# KiCad board corne-light copy.kicad_pcb
title: Corne Light; date: 2020-11-12; rev: 2.0; company: foostan
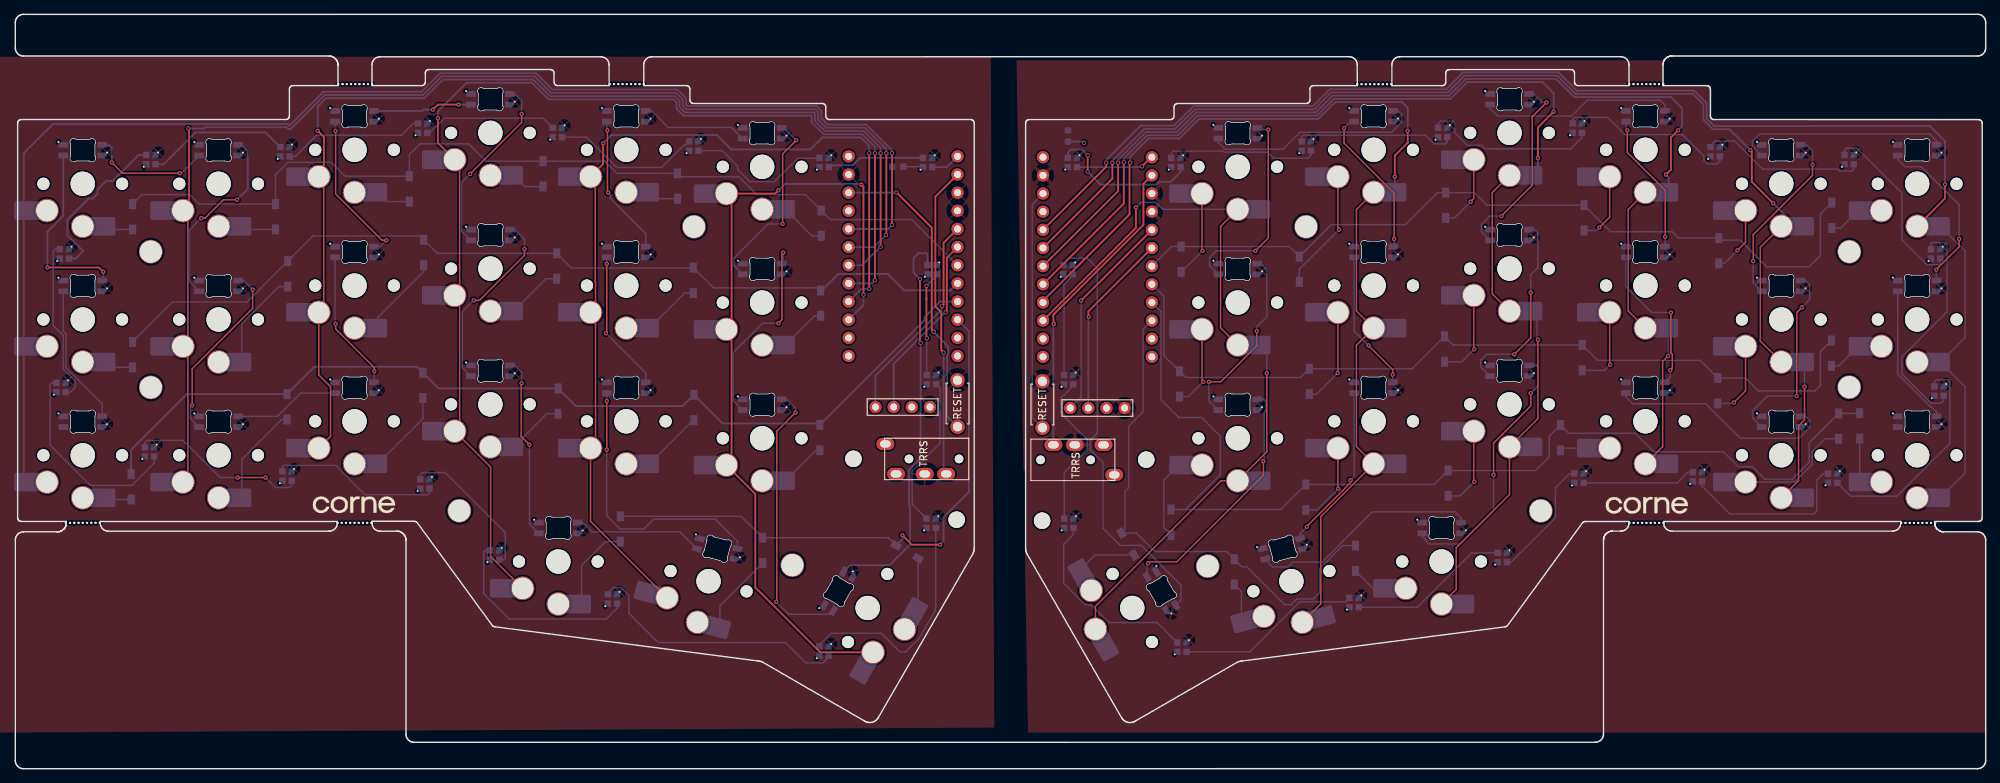
[diagram p0: board, top side]
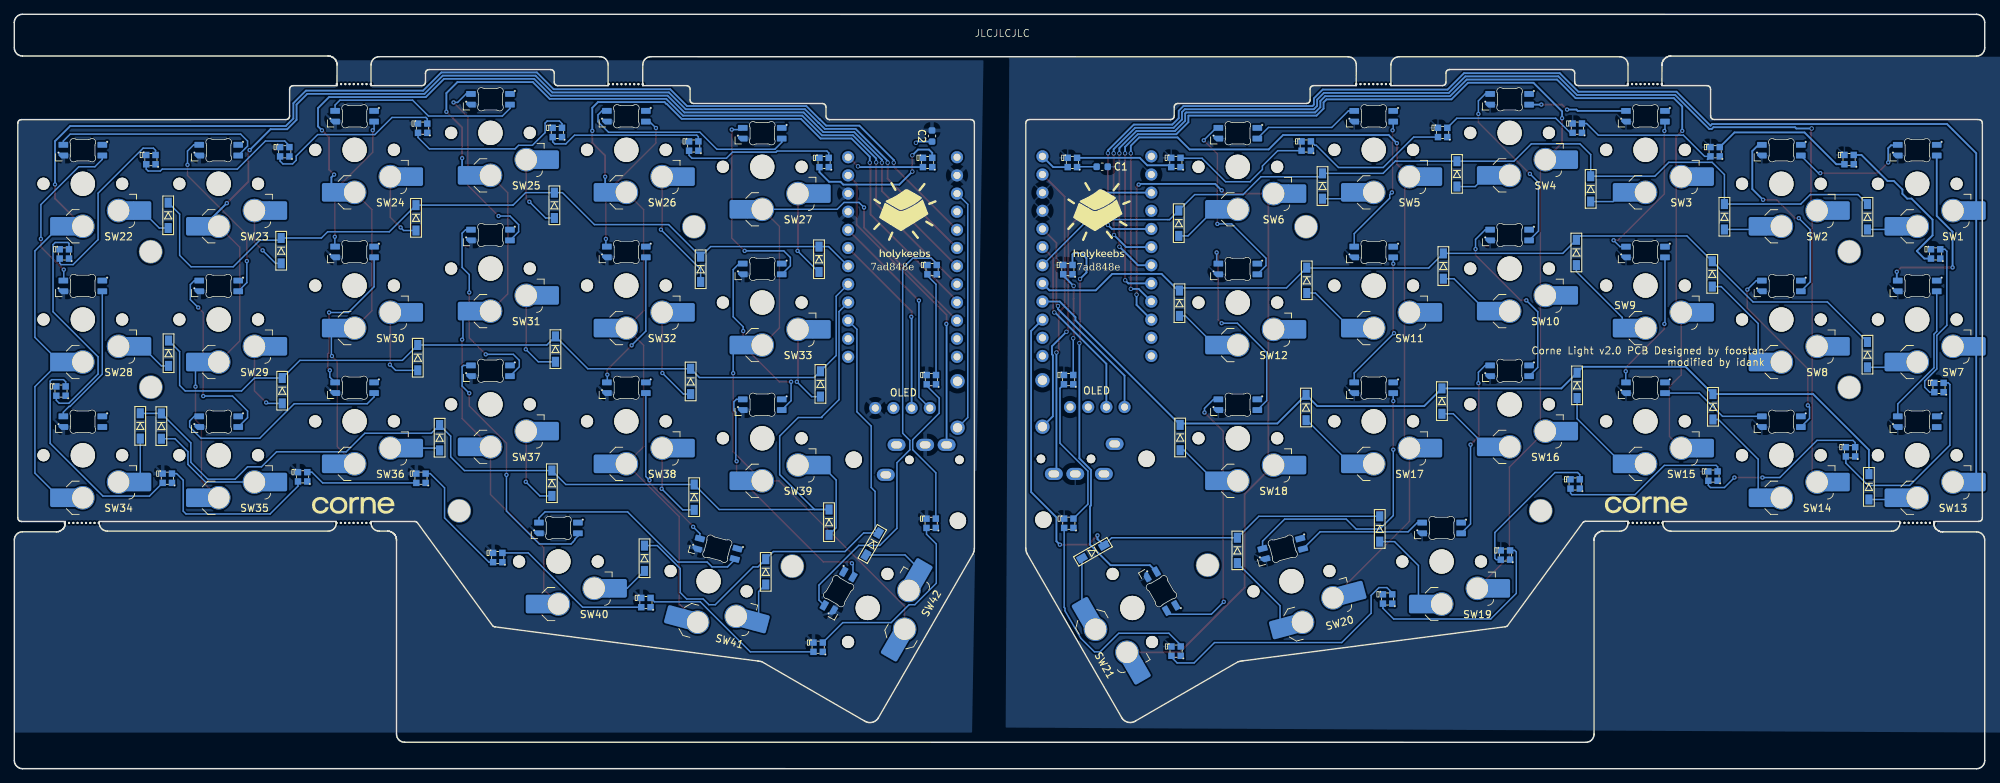
[diagram p1: board, bottom side, seen from below]

Outline 275.51 x 105.6 mm; copper layers: Top, In1.Cu, In2.Cu, Bottom. Coordinates in mm from the lower left corner of the outline.
Outline path: 57.33,96.11 57.3,95.94 57.23,95.81 57.13,95.71 57,95.64 56.83,95.61 49.88,95.61 49.88,98.51 49.9,98.73 49.96,98.95 50.07,99.14 50.21,99.31 50.38,99.45 50.57,99.56 50.78,99.63 51.01,99.65 81.88,99.65 82.11,99.63 82.32,99.56 82.52,99.46 82.69,99.32 82.83,99.15 82.94,98.95 83,98.74 83.02,98.52 83.02,98.51 83.03,95.61 75.83,95.61 75.66,95.64 75.53,95.71 75.43,95.81 75.36,95.94 75.33,96.11 75.33,97.36 75.3,97.53 75.23,97.66 75.13,97.76 75,97.83 74.83,97.86 57.83,97.86 57.66,97.83 57.53,97.76 57.43,97.66 57.36,97.53 57.33,97.36 57.33,96.11 ; 141.27,90.36 141.27,30.88 ; 141.27,90.36 141.3,90.53 141.37,90.66 141.47,90.76 141.6,90.83 141.77,90.86 ; 141.27,30.88 141.27,30.79 141.29,30.6 141.32,30.44 141.37,30.28 141.43,30.14 141.5,30.01 ; 141.77,90.86 161.52,90.86 161.69,90.88 161.82,90.95 161.92,91.05 161.99,91.18 162.02,91.36 162.02,92.61 162.05,92.78 162.12,92.91 162.22,93.01 162.35,93.08 162.52,93.11 ; 141.49,30.01 154.72,7.07 154.72,7.07 154.78,6.98 154.88,6.88 154.99,6.78 155.1,6.69 155.23,6.62 155.37,6.55 155.52,6.5 155.69,6.47 155.88,6.46 156.07,6.47 156.23,6.5 156.39,6.56 156.52,6.62 156.65,6.7 170.94,14.96 171.1,15 171.26,15.04 171.44,15.06 171.6,15.09 208.27,19.86 208.36,19.86 208.51,19.92 208.62,20 219.16,34.46 219.28,34.54 219.43,34.6 219.52,34.6 225.64,34.6 225.63,34.4 225.61,34.18 225.55,33.96 225.44,33.77 225.3,33.59 225.13,33.45 224.94,33.35 224.72,33.28 224.5,33.26 223.29,33.26 223.06,33.23 223.05,33.23 222.83,33.16 222.83,33.16 222.82,33.16 222.62,33.05 222.61,33.04 222.43,32.9 222.43,32.89 222.43,32.89 222.28,32.71 222.28,32.7 222.28,32.7 222.17,32.5 222.16,32.49 222.16,32.49 222.09,32.27 222.09,32.26 222.09,32.26 222.07,32.02 222.07,4.85 222.05,4.63 221.98,4.41 221.88,4.22 221.74,4.04 221.57,3.9 221.37,3.8 221.16,3.73 220.94,3.71 220.93,3.71 55.77,3.7 55.54,3.72 55.33,3.78 55.13,3.89 54.96,4.03 54.82,4.2 54.71,4.4 54.65,4.61 54.63,4.83 54.63,32.02 54.6,32.26 54.6,32.27 54.53,32.49 54.53,32.49 54.42,32.7 54.41,32.71 54.26,32.89 54.26,32.89 54.08,33.04 54.07,33.04 54.07,33.04 54.07,33.05 53.86,33.15 53.86,33.16 53.63,33.22 53.63,33.23 53.62,33.23 53.39,33.25 51.02,33.25 50.79,33.27 50.58,33.33 50.38,33.44 50.21,33.58 50.07,33.75 49.96,33.94 49.9,34.16 49.88,34.38 49.88,34.39 49.87,34.63 55.83,34.63 55.92,34.6 56.07,34.55 56.18,34.47 66.73,20.01 66.84,19.92 66.99,19.87 67.08,19.86 103.75,15.09 103.91,15.07 104.08,15.04 104.25,15.01 104.4,14.96 118.7,6.7 118.82,6.63 118.96,6.56 119.12,6.51 119.28,6.48 119.47,6.46 119.66,6.48 119.83,6.51 119.98,6.56 120.12,6.63 120.25,6.7 120.37,6.79 120.47,6.89 120.57,7 120.62,7.08 120.63,7.08 133.85,30.02 133.92,30.15 133.98,30.29 134.03,30.45 134.06,30.62 134.08,30.8 134.08,90.36 134.05,90.53 133.98,90.66 133.88,90.76 133.75,90.83 133.58,90.86 113.83,90.86 113.66,90.89 113.53,90.96 113.43,91.06 113.36,91.19 113.33,91.36 113.33,92.61 113.3,92.78 113.23,92.91 113.13,93.01 113,93.08 112.83,93.11 94.83,93.11 94.66,93.14 94.53,93.21 94.43,93.31 94.36,93.44 94.33,93.61 94.33,95.11 94.3,95.28 94.23,95.41 94.13,95.51 94,95.58 93.83,95.61 87.88,95.61 87.88,98.51 87.9,98.73 87.96,98.95 88.06,99.14 88.21,99.31 88.38,99.45 88.57,99.56 88.79,99.63 89.01,99.65 89.01,99.65 186.49,99.66 186.72,99.64 186.93,99.57 187.12,99.47 187.3,99.33 187.44,99.16 187.54,98.96 187.61,98.75 187.63,98.53 187.63,98.52 187.64,95.61 181.52,95.61 ; 162.52,93.11 180.52,93.11 ; 180.52,93.11 180.69,93.13 180.81,93.21 180.92,93.3 180.99,93.43 181.02,93.61 ; 181.02,95.11 181.05,95.28 181.12,95.4 181.22,95.51 181.35,95.58 181.52,95.61 ; 181.02,93.61 181.02,95.11 ; 200.02,97.36 200.05,97.53 200.12,97.66 200.22,97.76 200.35,97.83 200.52,97.86 ; 200.02,96.11 200.02,97.36 ; 200.02,96.11 199.99,95.94 199.92,95.8 199.82,95.7 199.69,95.63 199.52,95.61 192.48,95.61 192.48,98.52 192.5,98.74 192.57,98.95 192.67,99.15 192.81,99.32 192.98,99.46 193.18,99.57 193.39,99.63 193.61,99.66 224.49,99.66 224.72,99.64 224.93,99.57 225.13,99.47 225.3,99.33 225.44,99.16 225.54,98.96 225.61,98.75 225.63,98.53 225.63,98.52 225.63,95.61 218.52,95.61 ; 200.52,97.86 217.52,97.86 ; 217.52,97.86 217.69,97.83 217.82,97.75 217.92,97.66 217.99,97.53 218.02,97.36 ; 218.02,97.36 218.02,96.11 ; 218.02,96.11 218.05,95.94 218.12,95.81 218.22,95.71 218.35,95.64 218.52,95.61 ; 237.02,95.11 236.99,95.27 236.92,95.4 236.82,95.5 236.69,95.58 236.52,95.61 230.39,95.61 230.38,98.52 230.38,98.52 230.41,98.76 230.41,98.76 230.41,98.77 230.47,98.99 230.48,99 230.59,99.2 230.59,99.2 230.59,99.2 230.59,99.21 230.74,99.39 230.74,99.39 230.75,99.4 230.92,99.54 230.93,99.55 231.14,99.66 231.14,99.66 231.37,99.73 231.38,99.73 231.61,99.76 274.38,99.76 274.6,99.78 274.81,99.85 275.01,99.95 275.18,100.09 275.32,100.27 275.42,100.46 275.49,100.68 275.51,100.9 275.51,104.46 275.48,104.69 275.42,104.9 275.31,105.09 275.17,105.27 275,105.4 274.8,105.51 274.59,105.57 274.37,105.6 1.14,105.59 1.13,105.59 0.91,105.56 0.7,105.5 0.5,105.39 0.33,105.25 0.19,105.08 0.09,104.88 0.02,104.67 0,104.45 0,100.88 0.02,100.66 0.09,100.44 0.2,100.25 0.34,100.08 0.51,99.94 0.7,99.83 0.92,99.77 1.14,99.75 43.89,99.75 44.12,99.73 44.13,99.73 44.13,99.72 44.36,99.66 44.36,99.65 44.36,99.65 44.57,99.55 44.58,99.54 44.76,99.39 44.76,99.39 44.91,99.21 44.91,99.21 44.92,99.2 45.03,98.99 45.03,98.99 45.1,98.77 45.1,98.77 45.1,98.76 45.13,98.52 45.13,98.51 45.13,95.61 38.83,95.61 38.66,95.58 38.53,95.51 38.43,95.41 38.36,95.28 38.33,95.11 38.33,91.36 38.3,91.19 38.23,91.06 38.13,90.96 38,90.89 37.83,90.86 0.94,90.86 0.66,90.83 0.53,90.76 0.43,90.66 0.36,90.53 0.33,90.36 0.33,35.11 0.36,34.94 0.43,34.81 0.53,34.71 0.66,34.64 0.83,34.61 7.12,34.61 7.12,34.38 7.12,34.38 7.1,34.15 7.1,34.14 7.03,33.92 7.03,33.91 7.03,33.91 6.92,33.71 6.92,33.7 6.77,33.52 6.77,33.51 6.76,33.51 6.58,33.36 6.58,33.36 6.37,33.25 6.36,33.24 6.14,33.17 6.13,33.17 5.9,33.15 1.13,33.15 0.91,33.13 0.7,33.06 0.5,32.95 0.33,32.81 0.19,32.64 0.09,32.45 0.02,32.23 0,32.01 0,1.13 0.02,0.91 0.09,0.7 0.2,0.5 0.34,0.33 0.51,0.19 0.7,0.08 0.92,0.02 1.14,0 274.37,0.01 274.38,0.01 274.6,0.03 274.81,0.1 275.01,0.2 275.18,0.34 275.32,0.52 275.42,0.71 275.49,0.92 275.51,1.15 275.51,32.03 275.48,32.25 275.42,32.46 275.31,32.66 275.17,32.83 275,32.97 274.8,33.07 274.59,33.14 274.37,33.16 269.62,33.16 269.38,33.18 269.38,33.18 269.37,33.18 269.15,33.25 269.14,33.25 268.94,33.36 268.93,33.37 268.75,33.51 268.75,33.52 268.74,33.52 268.6,33.7 268.59,33.71 268.48,33.91 268.48,33.92 268.48,33.92 268.41,34.14 268.41,34.15 268.41,34.15 268.38,34.38 268.38,34.39 268.38,34.39 268.39,34.6 274.52,34.6 274.69,34.64 274.82,34.7 274.92,34.81 274.99,34.94 275.02,35.11 ; 237.02,95.11 237.02,91.36 ; 237.02,91.36 237.05,91.19 237.12,91.06 237.22,90.96 237.35,90.89 237.52,90.86 ; 237.52,90.86 274.52,90.86 274.69,90.83 274.82,90.75 274.92,90.66 274.99,90.52 275.02,90.36 275.02,35.11 ; 11.87,34.39 11.87,34.38 11.9,34.16 11.96,33.94 12.07,33.75 12.21,33.58 12.38,33.44 12.58,33.33 12.79,33.27 13.01,33.25 43.89,33.25 44.12,33.27 44.33,33.34 44.52,33.44 44.69,33.58 44.84,33.76 44.94,33.95 45,34.17 45.03,34.39 45.03,34.61 11.88,34.61 11.87,34.39 ; 230.48,34.4 230.48,34.39 230.51,34.17 230.57,33.95 230.68,33.76 230.82,33.59 230.99,33.45 231.19,33.34 231.4,33.28 231.62,33.26 262.5,33.26 262.72,33.28 262.94,33.35 263.13,33.45 263.3,33.59 263.44,33.77 263.55,33.96 263.61,34.18 263.63,34.4 263.64,34.61 230.49,34.61 230.48,34.4
Stack: Top 0.035mm / dielectric 0.1mm FR4 er 4.5 / In1.Cu 0.035mm / dielectric 1.24mm FR4 er 4.5 / In2.Cu 0.035mm / dielectric 0.1mm FR4 er 4.5 / Bottom 0.035mm

## Placement (name value [footprint] x y rotation side)
BACKLED1  SK6805-EC15  [LED_SK6805-EC15_1.5x1.5mm_P0.6mm_handsolder]  127.56 84.86 180 bottom
BACKLED2  SK6805-EC15  [LED_SK6805-EC15_1.5x1.5mm_P0.6mm_handsolder]  113.09 84.86 180 bottom
BACKLED3  SK6805-EC15  [LED_SK6805-EC15_1.5x1.5mm_P0.6mm_handsolder]  94.86 87.16 180 bottom
BACKLED4  SK6805-EC15  [LED_SK6805-EC15_1.5x1.5mm_P0.6mm_handsolder]  75.79 89.06 180 bottom
BACKLED5  SK6805-EC15  [LED_SK6805-EC15_1.5x1.5mm_P0.6mm_handsolder]  56.96 89.66 180 bottom
BACKLED6  SK6805-EC15  [LED_SK6805-EC15_1.5x1.5mm_P0.6mm_handsolder]  37.69 86.36 180 bottom
BACKLED7  SK6805-EC15  [LED_SK6805-EC15_1.5x1.5mm_P0.6mm_handsolder]  18.96 85.26 180 bottom
BACKLED8  SK6805-EC15  [LED_SK6805-EC15_1.5x1.5mm_P0.6mm_handsolder]  6.86 72.06 180 bottom
BACKLED9  SK6805-EC15  [LED_SK6805-EC15_1.5x1.5mm_P0.6mm_handsolder]  6.39 53.36 180 bottom
BACKLED10  SK6805-EC15  [LED_SK6805-EC15_1.5x1.5mm_P0.6mm_handsolder]  18.76 44.36 180 bottom
BACKLED11  SK6805-EC15  [LED_SK6805-EC15_1.5x1.5mm_P0.6mm_handsolder]  37.99 40.96 180 bottom
BACKLED12  SK6805-EC15  [LED_SK6805-EC15_1.5x1.5mm_P0.6mm_handsolder]  57.26 39.86 180 bottom
BACKLED13  SK6805-EC15  [LED_SK6805-EC15_1.5x1.5mm_P0.6mm_handsolder]  67.01 29.91 180 bottom
BACKLED14  SK6805-EC15  [LED_SK6805-EC15_1.5x1.5mm_P0.6mm_handsolder]  83.49 23.76 180 bottom
BACKLED15  SK6805-EC15  [LED_SK6805-EC15_1.5x1.5mm_P0.6mm_handsolder]  113.06 16.46 180 bottom
BACKLED16  SK6805-EC15  [LED_SK6805-EC15_1.5x1.5mm_P0.6mm_handsolder]  128.06 34.36 180 bottom
BACKLED17  SK6805-EC15  [LED_SK6805-EC15_1.5x1.5mm_P0.6mm_handsolder]  128.09 54.46 180 bottom
BACKLED18  SK6805-EC15  [LED_SK6805-EC15_1.5x1.5mm_P0.6mm_handsolder]  128.19 69.86 180 bottom
BACKLEDr1  SK6805-EC15  [LED_SK6805-EC15_1.5x1.5mm_P0.6mm_handsolder]  147.81 84.85 180 bottom
BACKLEDr2  SK6805-EC15  [LED_SK6805-EC15_1.5x1.5mm_P0.6mm_handsolder]  162.28 84.85 180 bottom
BACKLEDr3  SK6805-EC15  [LED_SK6805-EC15_1.5x1.5mm_P0.6mm_handsolder]  180.51 87.15 180 bottom
BACKLEDr4  SK6805-EC15  [LED_SK6805-EC15_1.5x1.5mm_P0.6mm_handsolder]  199.58 89.05 180 bottom
BACKLEDr5  SK6805-EC15  [LED_SK6805-EC15_1.5x1.5mm_P0.6mm_handsolder]  218.41 89.65 180 bottom
BACKLEDr6  SK6805-EC15  [LED_SK6805-EC15_1.5x1.5mm_P0.6mm_handsolder]  237.69 86.35 180 bottom
BACKLEDr7  SK6805-EC15  [LED_SK6805-EC15_1.5x1.5mm_P0.6mm_handsolder]  256.41 85.25 180 bottom
BACKLEDr8  SK6805-EC15  [LED_SK6805-EC15_1.5x1.5mm_P0.6mm_handsolder]  268.51 72.05 180 bottom
BACKLEDr9  SK6805-EC15  [LED_SK6805-EC15_1.5x1.5mm_P0.6mm_handsolder]  268.98 52.86 180 bottom
BACKLEDr10  SK6805-EC15  [LED_SK6805-EC15_1.5x1.5mm_P0.6mm_handsolder]  254.11 40.66 180 bottom
BACKLEDr11  SK6805-EC15  [LED_SK6805-EC15_1.5x1.5mm_P0.6mm_handsolder]  235.19 40.86 180 bottom
BACKLEDr12  SK6805-EC15  [LED_SK6805-EC15_1.5x1.5mm_P0.6mm_handsolder]  218.64 40.66 180 bottom
BACKLEDr13  SK6805-EC15  [LED_SK6805-EC15_1.5x1.5mm_P0.6mm_handsolder]  207.91 29.56 180 bottom
BACKLEDr14  SK6805-EC15  [LED_SK6805-EC15_1.5x1.5mm_P0.6mm_handsolder]  187.19 23.26 180 bottom
BACKLEDr15  SK6805-EC15  [LED_SK6805-EC15_1.5x1.5mm_P0.6mm_handsolder]  163.11 17.01 180 bottom
BACKLEDr16  SK6805-EC15  [LED_SK6805-EC15_1.5x1.5mm_P0.6mm_handsolder]  147.31 34.35 180 bottom
BACKLEDr17  SK6805-EC15  [LED_SK6805-EC15_1.5x1.5mm_P0.6mm_handsolder]  147.28 54.45 180 bottom
BACKLEDr18  SK6805-EC15  [LED_SK6805-EC15_1.5x1.5mm_P0.6mm_handsolder]  147.18 69.85 180 bottom
C1  1µ  [C_0603_1608Metric]  123.39 84.26 180 bottom
C2  1µ  [C_0603_1608Metric]  147.19 88.56 90 bottom
D1  D  [D3_SMD_v2]  16.39 77.26 270 bottom
D2  D  [D3_SMD_v2]  36.39 77.26 270 bottom
D3  D  [D3_SMD_v2]  55.09 81.16 270 bottom
D4  D  [D3_SMD_v2]  73.79 83.26 270 bottom
D5  D  [D3_SMD_v2]  92.59 81.56 270 bottom
D6  D  [D3_SMD_v2]  112.69 76.36 270 bottom
D7  D  [D3_SMD_v2]  16.39 57.96 270 bottom
D8  D  [D3_SMD_v2]  38.09 69.26 270 bottom
D9  D  [D3_SMD_v2]  57.09 72.26 270 bottom
D10  D  [D3_SMD_v2]  75.69 70.36 270 bottom
D11  D  [D3_SMD_v2]  94.79 68.36 270 bottom
D12  D  [D3_SMD_v2]  112.59 65.16 270 bottom
D13  D  [D3_SMD_v2]  16.19 39.46 270 bottom
D14  D  [D3_SMD_v2]  37.99 50.66 270 bottom
D15  D  [D3_SMD_v2]  56.99 53.66 270 bottom
D16  D  [D3_SMD_v2]  75.89 51.46 270 bottom
D17  D  [D3_SMD_v2]  94.89 50.56 270 bottom
D18  D  [D3_SMD_v2]  112.49 46.36 270 bottom
D19  D  [D3_SMD_v2]  84.59 33.56 270 bottom
D20  D  [D3_SMD_v2]  104.49 30.56 270 bottom
D21  D  [D3_SMD_v2]  124.69 30.36 330 bottom
D22  D  [D3_SMD_v2]  253.99 77.46 270 bottom
D23  D  [D3_SMD_v2]  238.19 72.51 270 bottom
D24  D  [D3_SMD_v2]  219.34 77.11 270 bottom
D25  D  [D3_SMD_v2]  199.99 78.86 270 bottom
D26  D  [D3_SMD_v2]  179.54 69.91 270 bottom
D27  D  [D3_SMD_v2]  162.99 71.31 270 bottom
D28  D  [D3_SMD_v2]  253.94 58.16 270 bottom
D29  D  [D3_SMD_v2]  238.04 52.91 270 bottom
D30  D  [D3_SMD_v2]  219.09 57.53 270 bottom
D31  D  [D3_SMD_v2]  199.84 58.73 270 bottom
D32  D  [D3_SMD_v2]  180.94 54.21 270 bottom
D33  D  [D3_SMD_v2]  162.79 53.86 270 bottom
D34  D  [D3_SMD_v2]  257.89 47.98 270 bottom
D35  D  [D3_SMD_v2]  254.94 47.96 270 bottom
D36  D  [D3_SMD_v2]  216.04 46.33 270 bottom
D37  D  [D3_SMD_v2]  200.34 39.96 270 bottom
D38  D  [D3_SMD_v2]  180.44 38.01 270 bottom
D39  D  [D3_SMD_v2]  161.59 34.51 270 bottom
D40  D  [D3_SMD_v2]  187.39 29.46 270 bottom
D41  D  [D3_SMD_v2]  170.44 27.56 270 bottom
D42  D  [D3_SMD_v2]  155.54 31.46 300 bottom
G***  LOGO  [corne-logo-horizontal]  228.24 36.79 0 top
G***#2  LOGO  [corne-logo-horizontal]  47.46 36.86 0 top
G***#3  LOGO  [corne-logo-horizontal]  228.01 36.79 180 bottom
G***#4  LOGO  [corne-logo-horizontal]  47.23 36.86 180 bottom
J1  MJ-4PP-9  [MJ-4PP-9_1side]  133.46 43.36 270 top
J2  OLED  [OLED_1side_1mm_holes]  120.27 50.62 0 top
J5  -  [Breakaway_Tabs]  266.07 34.4 0 top
J5#2  -  [Breakaway_Tabs]  47.43 34.41 0 top
J5#3  -  [Breakaway_Tabs]  85.5 95.82 0 top
J5#4  -  [Breakaway_Tabs]  228.04 95.82 0 top
J5#5  -  [Breakaway_Tabs]  190.02 95.81 0 top
J5#6  -  [Breakaway_Tabs]  47.53 95.82 0 top
J5#7  -  [Breakaway_Tabs]  9.44 34.41 0 top
J5#8  -  [Breakaway_Tabs]  228.07 34.4 0 top
J6  MJ-4PP-9  [MJ-4PP-9_1side]  141.85 43.23 90 top
J7  OLED  [OLED_1side_1mm_holes]  147.5 50.49 0 top
L1  SK6812MINI  [LED_6028R]  9.43 86.57 180 bottom
L2  SK6812MINI  [LED_6028R]  28.43 86.57 180 bottom
L3  SK6812MINI  [LED_6028R]  47.43 91.32 180 bottom
L4  SK6812MINI  [LED_6028R]  66.43 93.7 180 bottom
L5  SK6812MINI  [LED_6028R]  85.43 91.32 180 bottom
L6  SK6812MINI  [LED_6028R]  104.43 88.95 180 bottom
L7  SK6812MINI  [LED_6028R]  9.43 67.57 180 bottom
L8  SK6812MINI  [LED_6028R]  28.43 67.57 180 bottom
L9  SK6812MINI  [LED_6028R]  47.43 72.32 180 bottom
L10  SK6812MINI  [LED_6028R]  66.43 74.7 180 bottom
L11  SK6812MINI  [LED_6028R]  85.43 72.32 180 bottom
L12  SK6812MINI  [LED_6028R]  104.43 69.95 180 bottom
L13  SK6812MINI  [LED_6028R]  9.43 48.57 180 bottom
L14  SK6812MINI  [LED_6028R]  28.43 48.57 180 bottom
L15  SK6812MINI  [LED_6028R]  47.43 53.32 180 bottom
L16  SK6812MINI  [LED_6028R]  66.43 55.7 180 bottom
L17  SK6812MINI  [LED_6028R]  85.43 53.32 180 bottom
L18  SK6812MINI  [LED_6028R]  104.43 50.95 180 bottom
L19  SK6812MINI  [LED_6028R]  75.93 33.7 180 bottom
L20  SK6812MINI  [LED_6028R]  98.15 30.79 165 bottom
L21  SK6812MINI  [LED_6028R]  115.11 24.85 240 bottom
L28  SK6812MINI  [LED_6028R]  265.93 86.57 180 bottom
L29  SK6812MINI  [LED_6028R]  246.93 86.57 180 bottom
L30  SK6812MINI  [LED_6028R]  227.93 91.32 180 bottom
L31  SK6812MINI  [LED_6028R]  208.93 93.7 180 bottom
L32  SK6812MINI  [LED_6028R]  189.93 91.32 180 bottom
L33  SK6812MINI  [LED_6028R]  170.93 88.95 180 bottom
L34  SK6812MINI  [LED_6028R]  265.93 67.57 180 bottom
L35  SK6812MINI  [LED_6028R]  246.93 67.57 180 bottom
L36  SK6812MINI  [LED_6028R]  227.93 72.32 180 bottom
L37  SK6812MINI  [LED_6028R]  208.93 74.7 180 bottom
L38  SK6812MINI  [LED_6028R]  189.93 72.32 180 bottom
L39  SK6812MINI  [LED_6028R]  170.93 69.95 180 bottom
L40  SK6812MINI  [LED_6028R]  265.93 48.57 180 bottom
L41  SK6812MINI  [LED_6028R]  246.93 48.57 180 bottom
L42  SK6812MINI  [LED_6028R]  227.93 53.32 180 bottom
L43  SK6812MINI  [LED_6028R]  208.93 55.7 180 bottom
L44  SK6812MINI  [LED_6028R]  189.93 53.32 180 bottom
L45  SK6812MINI  [LED_6028R]  170.93 50.95 180 bottom
L46  SK6812MINI  [LED_6028R]  199.43 33.7 180 bottom
L47  SK6812MINI  [LED_6028R]  177.21 30.79 195 bottom
L48  SK6812MINI  [LED_6028R]  160.25 24.85 120 bottom
Ref**  Val**  [thread_m2]  143.58 34.71 0 top
REF**  -  [M2_SPACER]  256.43 53.4 0 top
Ref**#2  Val**  [thread_m2]  158.13 43.25 0 top
REF**#2  logo big  [logo .5x]  123.84 77.12 180 bottom
Ref**#3  Val**  [M2_SPACER]  180.48 75.86 0 top
REF**#3  logo big  [logo .5x]  150.97 77.12 180 bottom
Ref**#4  Val**  [M2_SPACER]  166.73 28.35 180 bottom
Ref**#5  Val**  [M2_SPACER]  213.3 36.1 180 bottom
Ref**#6  Val**  [M2_SPACER]  256.44 72.37 180 bottom
Ref**#7  Val**  [thread_m2]  117.19 43.37 180 bottom
Ref**#8  Val**  [M2_SPACER]  18.94 72.37 180 bottom
Ref**#9  Val**  [thread_m2]  131.62 34.85 180 bottom
Ref**#10  Val**  [M2_SPACER]  94.89 75.86 180 bottom
Ref**#11  Val**  [M2_SPACER]  62.08 36.11 180 bottom
Ref**#12  Val**  [M2_SPACER]  108.65 28.49 180 bottom
Ref**#13  Val**  [M2_SPACER]  18.94 53.37 180 bottom
RSW1  SW_PUSH  [ResetSW_1side]  131.75 51.12 270 top
RSW2  SW_PUSH  [ResetSW_1side]  143.62 50.98 270 top
SW1  SW_PUSH  [SW_choc_v1_HS_CPG135001S30_1u]  9.43 81.87 180 bottom
SW2  SW_PUSH  [SW_choc_v1_HS_CPG135001S30_1u]  28.43 81.87 180 bottom
SW3  SW_PUSH  [SW_choc_v1_HS_CPG135001S30_1u]  47.43 86.62 180 bottom
SW4  SW_PUSH  [SW_choc_v1_HS_CPG135001S30_1u]  66.43 89 180 bottom
SW5  SW_PUSH  [SW_choc_v1_HS_CPG135001S30_1u]  85.43 86.62 180 bottom
SW6  SW_PUSH  [SW_choc_v1_HS_CPG135001S30_1u]  104.43 84.25 180 bottom
SW7  SW_PUSH  [SW_choc_v1_HS_CPG135001S30_1u]  9.43 62.87 180 bottom
SW8  SW_PUSH  [SW_choc_v1_HS_CPG135001S30_1u]  28.43 62.87 180 bottom
SW9  SW_PUSH  [SW_choc_v1_HS_CPG135001S30_1u]  47.43 67.62 180 bottom
SW10  SW_PUSH  [SW_choc_v1_HS_CPG135001S30_1u]  66.43 70 180 bottom
SW11  SW_PUSH  [SW_choc_v1_HS_CPG135001S30_1u]  85.43 67.62 180 bottom
SW12  SW_PUSH  [SW_choc_v1_HS_CPG135001S30_1u]  104.43 65.25 180 bottom
SW13  SW_PUSH  [SW_choc_v1_HS_CPG135001S30_1u]  9.43 43.87 180 bottom
SW14  SW_PUSH  [SW_choc_v1_HS_CPG135001S30_1u]  28.43 43.87 180 bottom
SW15  SW_PUSH  [SW_choc_v1_HS_CPG135001S30_1u]  47.43 48.62 180 bottom
SW16  SW_PUSH  [SW_choc_v1_HS_CPG135001S30_1u]  66.43 51 180 bottom
SW17  SW_PUSH  [SW_choc_v1_HS_CPG135001S30_1u]  85.43 48.62 180 bottom
SW18  SW_PUSH  [SW_choc_v1_HS_CPG135001S30_1u]  104.43 46.25 180 bottom
SW19  SW_PUSH  [SW_choc_v1_HS_CPG135001S30_1u]  75.93 29 180 bottom
SW20  SW_PUSH  [SW_choc_v1_HS_CPG135001S30_1u]  96.93 26.25 165 bottom
SW21  SW_PUSH  [SW_choc_v1_HS_CPG135001S30_1u]  119.18 22.5 240 bottom
SW22  SW_PUSH  [SW_choc_v1_HS_CPG135001S30_1u_flipped]  265.93 81.87 180 bottom
SW23  SW_PUSH  [SW_choc_v1_HS_CPG135001S30_1u_flipped]  246.93 81.87 180 bottom
SW24  SW_PUSH  [SW_choc_v1_HS_CPG135001S30_1u_flipped]  227.93 86.62 180 bottom
SW25  SW_PUSH  [SW_choc_v1_HS_CPG135001S30_1u_flipped]  208.93 89 180 bottom
SW26  SW_PUSH  [SW_choc_v1_HS_CPG135001S30_1u_flipped]  189.93 86.62 180 bottom
SW27  SW_PUSH  [SW_choc_v1_HS_CPG135001S30_1u_flipped]  170.93 84.25 180 bottom
SW28  SW_PUSH  [SW_choc_v1_HS_CPG135001S30_1u_flipped]  265.93 62.87 180 bottom
SW29  SW_PUSH  [SW_choc_v1_HS_CPG135001S30_1u_flipped]  246.93 62.87 180 bottom
SW30  SW_PUSH  [SW_choc_v1_HS_CPG135001S30_1u_flipped]  227.93 67.62 180 bottom
SW31  SW_PUSH  [SW_choc_v1_HS_CPG135001S30_1u_flipped]  208.93 70 180 bottom
SW32  SW_PUSH  [SW_choc_v1_HS_CPG135001S30_1u_flipped]  189.93 67.62 180 bottom
SW33  SW_PUSH  [SW_choc_v1_HS_CPG135001S30_1u_flipped]  170.93 65.25 180 bottom
SW34  SW_PUSH  [SW_choc_v1_HS_CPG135001S30_1u_flipped]  265.93 43.87 180 bottom
SW35  SW_PUSH  [SW_choc_v1_HS_CPG135001S30_1u_flipped]  246.93 43.87 180 bottom
SW36  SW_PUSH  [SW_choc_v1_HS_CPG135001S30_1u_flipped]  227.93 48.62 180 bottom
SW37  SW_PUSH  [SW_choc_v1_HS_CPG135001S30_1u_flipped]  208.93 51 180 bottom
SW38  SW_PUSH  [SW_choc_v1_HS_CPG135001S30_1u_flipped]  189.93 48.62 180 bottom
SW39  SW_PUSH  [SW_choc_v1_HS_CPG135001S30_1u_flipped]  170.93 46.25 180 bottom
SW40  SW_PUSH  [SW_choc_v1_HS_CPG135001S30_1u_flipped]  199.43 29 180 bottom
SW41  SW_PUSH  [SW_choc_v1_HS_CPG135001S30_1u_flipped]  178.43 26.25 195 bottom
SW42  SW_PUSH  [SW_choc_v1_HS_CPG135001S30_1u_flipped]  156.18 22.5 120 bottom
U1  ProMicro  [ProMicro_1mm_holes]  124.14 71.23 0 top
U2  ProMicro  [ProMicro_1mm_holes]  151.31 71.11 0 top

## Library data of the parts
BACKLED1-BACKLED18 BACKLEDr1-BACKLEDr18 = -: Datasheet: https://datasheet.lcsc.com/lcsc/2108251530_OPSCO-Optoelectronics-SK6805-EC15_C2890035.pdf; MFN: Dongguan Opsco Optoelectronics; LCSC: C2890035
C1 C2 = -: LCSC: C52923
D1-D42 = -: LCSC: C2099
J2 J7 = -: ki_fp_filters: Connector*:*_1x??_*
L1-L21 L28-L48 = -: Description: Reverse mount adressable LED (WS2812 protocol); LCSC: C5149201
SW1-SW42 = -: LCSC: C5333465

## Footprints (pads in the part's own frame, mm; a bottom-side part is the same pattern mirrored in y, then rotated)
Breakaway_Tabs
  round 0.3 hole 0.3 unplated: (-2.375,0) (-1.781,0) (-1.188,0) (-0.594,0) (0,0) (0.594,0) (1.188,0) (1.781,0) (2.375,0)
C_0603_1608Metric
  rrect 0.9x0.95 smd: 1(-0.775,0) 2(0.775,0)
D3_SMD_v2
  rect 1.4x1 smd: 1(-1.775,0) 2(1.775,0)
LED_6028R
  rrect 1.35x0.82 smd: 1(2.725,0.75) 2(2.725,-0.75) 3(-2.725,0.75) 4(-2.725,-0.75)
  round 0.3 hole 0.2: 1(3.4,1.16) 4(-3.4,-0.34)
LED_SK6805-EC15_1.5x1.5mm_P0.6mm_handsolder
  rect 0.9x0.9 smd: 1(-0.65,-0.65) 2(0.65,-0.65) 3(0.65,0.65) 4(-0.65,0.65)
  round 0.3 hole 0.2: 2(1,-1) 4(-1,1)
M2_SPACER
  round 3.3 hole 3.1: (0,0)
MJ-4PP-9_1side
  round 1.2 hole 1.2 unplated: (0,-1.5) (0,-8.5)
  oval 1.7x2.5 hole 1x1.5: A(-2.1,-11.8) B(2.1,-3.3) C(2.1,-6.3) D(2.1,-10.3)
OLED_1side_1mm_holes
  round 1.7 hole 1: 1(0,0) 2(2.54,0) 3(5.08,0) 4(7.62,0)
ProMicro_1mm_holes
  round 1.7 hole 1: 1(7.611,14.478) 2(7.611,11.938) 3(7.611,9.398) 4(7.611,6.858) 5(7.611,4.318) 6(7.611,1.778) 7(7.611,-0.762) 8(7.611,-3.302) 9(7.611,-5.842) 10(7.611,-8.382) 11(7.611,-10.922) 12(7.611,-13.462) 13(-7.609,-13.462) 14(-7.609,-10.922) 15(-7.609,-8.382) 16(-7.609,-5.842) 17(-7.609,-3.302) 18(-7.609,-0.762) 19(-7.609,1.778) 20(-7.609,4.318) 21(-7.609,6.858) 22(-7.609,9.398) 23(-7.609,11.938) 24(-7.609,14.478)
ResetSW_1side
  round 2 hole 1.3: 1(3.25,0) 2(-3.25,0)
SW_choc_v1_HS_CPG135001S30_1u
  round 1.7 hole 1.7 unplated: (-5.5,0) (5.5,0)
  round 3.4 hole 3.4 unplated: (0,0)
  round 3.3 hole 3: 1(5,-3.75) 2(0,-5.95)
  rect 1.2x2.6 smd: 1(6.55,-3.75) 2(-1.55,-5.95)
  rrect 2.65x2.6 smd: 1(8.245,-3.75) 2(-3.245,-5.95)
SW_choc_v1_HS_CPG135001S30_1u_flipped
  round 1.7 hole 1.7 unplated: (-5.5,0) (5.5,0)
  round 3.4 hole 3.4 unplated: (0,0)
  rrect 2.65x2.6 smd: 1(-3.245,-5.95) 2(8.245,-3.75)
  rect 1.2x2.6 smd: 1(-1.55,-5.95) 2(6.55,-3.75)
  round 3.3 hole 3: 1(0,-5.95) 2(5,-3.75)
thread_m2
  round 2.3 hole 2.3 unplated: (0,0)

## Nets
GND: BACKLED1.4 BACKLED2.4 BACKLED3.4 BACKLED4.4 BACKLED5.4 BACKLED6.4 BACKLED7.4 BACKLED8.4 BACKLED9.4 BACKLED10.4 BACKLED11.4 BACKLED12.4 BACKLED13.4 BACKLED14.4 BACKLED15.4 BACKLED16.4 BACKLED17.4 BACKLED18.4 C1.2 J1.C J2.4 L1.4 L2.4 L3.4 L4.4 L5.4 L6.4 L7.4 L8.4 L9.4 L10.4 L11.4 L12.4 L13.4 L14.4 L15.4 L16.4 L17.4 L18.4 L19.4 L20.4 L21.4 RSW1.2 U1.3 U1.4 U1.23
GNDA: BACKLEDr1.4 BACKLEDr2.4 BACKLEDr3.4 BACKLEDr4.4 BACKLEDr5.4 BACKLEDr6.4 BACKLEDr7.4 BACKLEDr8.4 BACKLEDr9.4 BACKLEDr10.4 BACKLEDr11.4 BACKLEDr12.4 BACKLEDr13.4 BACKLEDr14.4 BACKLEDr15.4 BACKLEDr16.4 BACKLEDr17.4 BACKLEDr18.4 C2.2 J6.C J7.4 L28.4 L29.4 L30.4 L31.4 L32.4 L33.4 L34.4 L35.4 L36.4 L37.4 L38.4 L39.4 L40.4 L41.4 L42.4 L43.4 L44.4 L45.4 L46.4 L47.4 L48.4 RSW2.2 U2.3 U2.4 U2.23
VCC: BACKLED1.2 BACKLED2.2 BACKLED3.2 BACKLED4.2 BACKLED5.2 BACKLED6.2 BACKLED7.2 BACKLED8.2 BACKLED9.2 BACKLED10.2 BACKLED11.2 BACKLED12.2 BACKLED13.2 BACKLED14.2 BACKLED15.2 BACKLED16.2 BACKLED17.2 BACKLED18.2 C1.1 J1.D J2.3 L1.1 L2.1 L3.1 L4.1 L5.1 L6.1 L7.1 L8.1 L9.1 L10.1 L11.1 L12.1 L13.1 L14.1 L15.1 L16.1 L17.1 L18.1 L19.1 L20.1 L21.1 U1.21
VDD: BACKLEDr1.2 BACKLEDr2.2 BACKLEDr3.2 BACKLEDr4.2 BACKLEDr5.2 BACKLEDr6.2 BACKLEDr7.2 BACKLEDr8.2 BACKLEDr9.2 BACKLEDr10.2 BACKLEDr11.2 BACKLEDr12.2 BACKLEDr13.2 BACKLEDr14.2 BACKLEDr15.2 BACKLEDr16.2 BACKLEDr17.2 BACKLEDr18.2 C2.1 J6.D J7.3 L28.1 L29.1 L30.1 L31.1 L32.1 L33.1 L34.1 L35.1 L36.1 L37.1 L38.1 L39.1 L40.1 L41.1 L42.1 L43.1 L44.1 L45.1 L46.1 L47.1 L48.1 U2.21
col0: SW1.1 SW7.1 SW13.1 U1.20
col0_r: SW22.1 SW28.1 SW34.1 U2.20
col1: SW2.1 SW8.1 SW14.1 U1.19
col1_r: SW23.1 SW29.1 SW35.1 U2.19
col2: SW3.1 SW9.1 SW15.1 U1.18
col2_r: SW24.1 SW30.1 SW36.1 U2.18
col3: SW4.1 SW10.1 SW16.1 SW19.1 U1.17
col3_r: SW25.1 SW31.1 SW37.1 SW40.1 U2.17
col4: SW5.1 SW11.1 SW17.1 SW20.1 U1.16
col4_r: SW26.1 SW32.1 SW38.1 SW41.1 U2.16
col5: SW6.1 SW12.1 SW18.1 SW21.1 U1.15
col5_r: SW27.1 SW33.1 SW39.1 SW42.1 U2.15
data: J1.B U1.2
data_r: J6.B U2.2
LED: BACKLED1.1 U1.1
LED_CONT: BACKLED18.3 L21.3
LED_r: BACKLEDr1.1 U2.1
LEDr_CONT: BACKLEDr18.3 L48.3
reset: RSW1.1 U1.22
reset_r: RSW2.1 U2.22
row0: D1.1 D2.1 D3.1 D4.1 D5.1 D6.1 U1.7
row0_r: D22.1 D23.1 D24.1 D25.1 D26.1 D27.1 U2.7
row1: D7.1 D8.1 D9.1 D10.1 D11.1 D12.1 U1.8
row1_r: D28.1 D29.1 D30.1 D31.1 D32.1 D33.1 U2.8
row2: D13.1 D14.1 D15.1 D16.1 D17.1 D18.1 U1.9
row2_r: D34.1 D35.1 D36.1 D37.1 D38.1 D39.1 U2.9
row3: D19.1 D20.1 D21.1 U1.10
row3_r: D40.1 D41.1 D42.1 U2.10
SCL: J2.2 U1.6
SCL_r: J7.2 U2.6
SDA: J2.1 U1.5
SDA_r: J7.1 U2.5
Net-(BACKLED1-DOUT): BACKLED1.3 BACKLED2.1
Net-(BACKLED2-DOUT): BACKLED2.3 BACKLED3.1
Net-(BACKLED3-DOUT): BACKLED3.3 BACKLED4.1
Net-(BACKLED4-DOUT): BACKLED4.3 BACKLED5.1
Net-(BACKLED5-DOUT): BACKLED5.3 BACKLED6.1
Net-(BACKLED6-DOUT): BACKLED6.3 BACKLED7.1
Net-(BACKLED7-DOUT): BACKLED7.3 BACKLED8.1
Net-(BACKLED8-DOUT): BACKLED8.3 BACKLED9.1
Net-(BACKLED10-DIN): BACKLED9.3 BACKLED10.1
Net-(BACKLED10-DOUT): BACKLED10.3 BACKLED11.1
Net-(BACKLED11-DOUT): BACKLED11.3 BACKLED12.1
Net-(BACKLED12-DOUT): BACKLED12.3 BACKLED13.1
Net-(BACKLED13-DOUT): BACKLED13.3 BACKLED14.1
Net-(BACKLED14-DOUT): BACKLED14.3 BACKLED15.1
Net-(BACKLED15-DOUT): BACKLED15.3 BACKLED16.1
Net-(BACKLED16-DOUT): BACKLED16.3 BACKLED17.1
Net-(BACKLED17-DOUT): BACKLED17.3 BACKLED18.1
Net-(BACKLEDr1-DOUT): BACKLEDr1.3 BACKLEDr2.1
Net-(BACKLEDr2-DOUT): BACKLEDr2.3 BACKLEDr3.1
Net-(BACKLEDr3-DOUT): BACKLEDr3.3 BACKLEDr4.1
Net-(BACKLEDr4-DOUT): BACKLEDr4.3 BACKLEDr5.1
Net-(BACKLEDr5-DOUT): BACKLEDr5.3 BACKLEDr6.1
Net-(BACKLEDr6-DOUT): BACKLEDr6.3 BACKLEDr7.1
Net-(BACKLEDr7-DOUT): BACKLEDr7.3 BACKLEDr8.1
Net-(BACKLEDr8-DOUT): BACKLEDr8.3 BACKLEDr9.1
Net-(BACKLEDr10-DIN): BACKLEDr9.3 BACKLEDr10.1
Net-(BACKLEDr10-DOUT): BACKLEDr10.3 BACKLEDr11.1
Net-(BACKLEDr11-DOUT): BACKLEDr11.3 BACKLEDr12.1
Net-(BACKLEDr12-DOUT): BACKLEDr12.3 BACKLEDr13.1
Net-(BACKLEDr13-DOUT): BACKLEDr13.3 BACKLEDr14.1
Net-(BACKLEDr14-DOUT): BACKLEDr14.3 BACKLEDr15.1
Net-(BACKLEDr15-DOUT): BACKLEDr15.3 BACKLEDr16.1
Net-(BACKLEDr16-DOUT): BACKLEDr16.3 BACKLEDr17.1
Net-(BACKLEDr17-DOUT): BACKLEDr17.3 BACKLEDr18.1
Net-(D1-A): D1.2 SW1.2
Net-(D2-A): D2.2 SW2.2
Net-(D3-A): D3.2 SW3.2
Net-(D4-A): D4.2 SW4.2
Net-(D5-A): D5.2 SW5.2
Net-(D6-A): D6.2 SW6.2
Net-(D7-A): D7.2 SW7.2
Net-(D8-A): D8.2 SW8.2
Net-(D9-A): D9.2 SW9.2
Net-(D10-A): D10.2 SW10.2
Net-(D11-A): D11.2 SW11.2
Net-(D12-A): D12.2 SW12.2
Net-(D13-A): D13.2 SW13.2
Net-(D14-A): D14.2 SW14.2
Net-(D15-A): D15.2 SW15.2
Net-(D16-A): D16.2 SW16.2
Net-(D17-A): D17.2 SW17.2
Net-(D18-A): D18.2 SW18.2
Net-(D19-A): D19.2 SW19.2
Net-(D20-A): D20.2 SW20.2
Net-(D21-A): D21.2 SW21.2
Net-(D22-A): D22.2 SW22.2
Net-(D23-A): D23.2 SW23.2
Net-(D24-A): D24.2 SW24.2
Net-(D25-A): D25.2 SW25.2
Net-(D26-A): D26.2 SW26.2
Net-(D27-A): D27.2 SW27.2
Net-(D28-A): D28.2 SW28.2
Net-(D29-A): D29.2 SW29.2
Net-(D30-A): D30.2 SW30.2
Net-(D31-A): D31.2 SW31.2
Net-(D32-A): D32.2 SW32.2
Net-(D33-A): D33.2 SW33.2
Net-(D34-A): D34.2 SW34.2
Net-(D35-A): D35.2 SW35.2
Net-(D36-A): D36.2 SW36.2
Net-(D37-A): D37.2 SW37.2
Net-(D38-A): D38.2 SW38.2
Net-(D39-A): D39.2 SW39.2
Net-(D40-A): D40.2 SW40.2
Net-(D41-A): D41.2 SW41.2
Net-(D42-A): D42.2 SW42.2
Net-(L1-DIN): L1.3 L2.2
Net-(L1-DOUT): L1.2 L7.3
Net-(L2-DIN): L2.3 L8.2
Net-(L3-DIN): L3.3 L4.2
Net-(L3-DOUT): L3.2 L9.3
Net-(L5-DIN): L5.3 L6.2
Net-(L10-DIN): L10.3 L16.2
Net-(L10-DOUT): L4.3 L10.2
Net-(L11-DIN): L5.2 L11.3
Net-(L11-DOUT): L11.2 L17.3
Net-(L12-DIN): L12.3 L18.2
Net-(L12-DOUT): L6.3 L12.2
Net-(L13-DIN): L7.2 L13.3
Net-(L14-DIN): L14.3 L15.2
Net-(L14-DOUT): L8.3 L14.2
Net-(L15-DIN): L9.2 L15.3
Net-(L16-DIN): L16.3 L19.2
Net-(L17-DOUT): L17.2 L20.3
Net-(L18-DIN): L18.3 L21.2
Net-(L19-DIN): L19.3 L20.2
Net-(L28-DIN): L28.3 L29.2
Net-(L28-DOUT): L28.2 L34.3
Net-(L29-DIN): L29.3 L35.2
Net-(L30-DIN): L30.3 L31.2
Net-(L30-DOUT): L30.2 L36.3
Net-(L31-DIN): L31.3 L37.2
Net-(L32-DIN): L32.3 L33.2
Net-(L32-DOUT): L32.2 L38.3
Net-(L33-DIN): L33.3 L39.2
Net-(L34-DOUT): L34.2 L40.3
Net-(L35-DIN): L35.3 L41.2
Net-(L36-DOUT): L36.2 L42.3
Net-(L37-DIN): L37.3 L43.2
Net-(L38-DOUT): L38.2 L44.3